# Altium PCB RV901-cnc-flipped.PcbDoc (part 4 of 4) (continued)
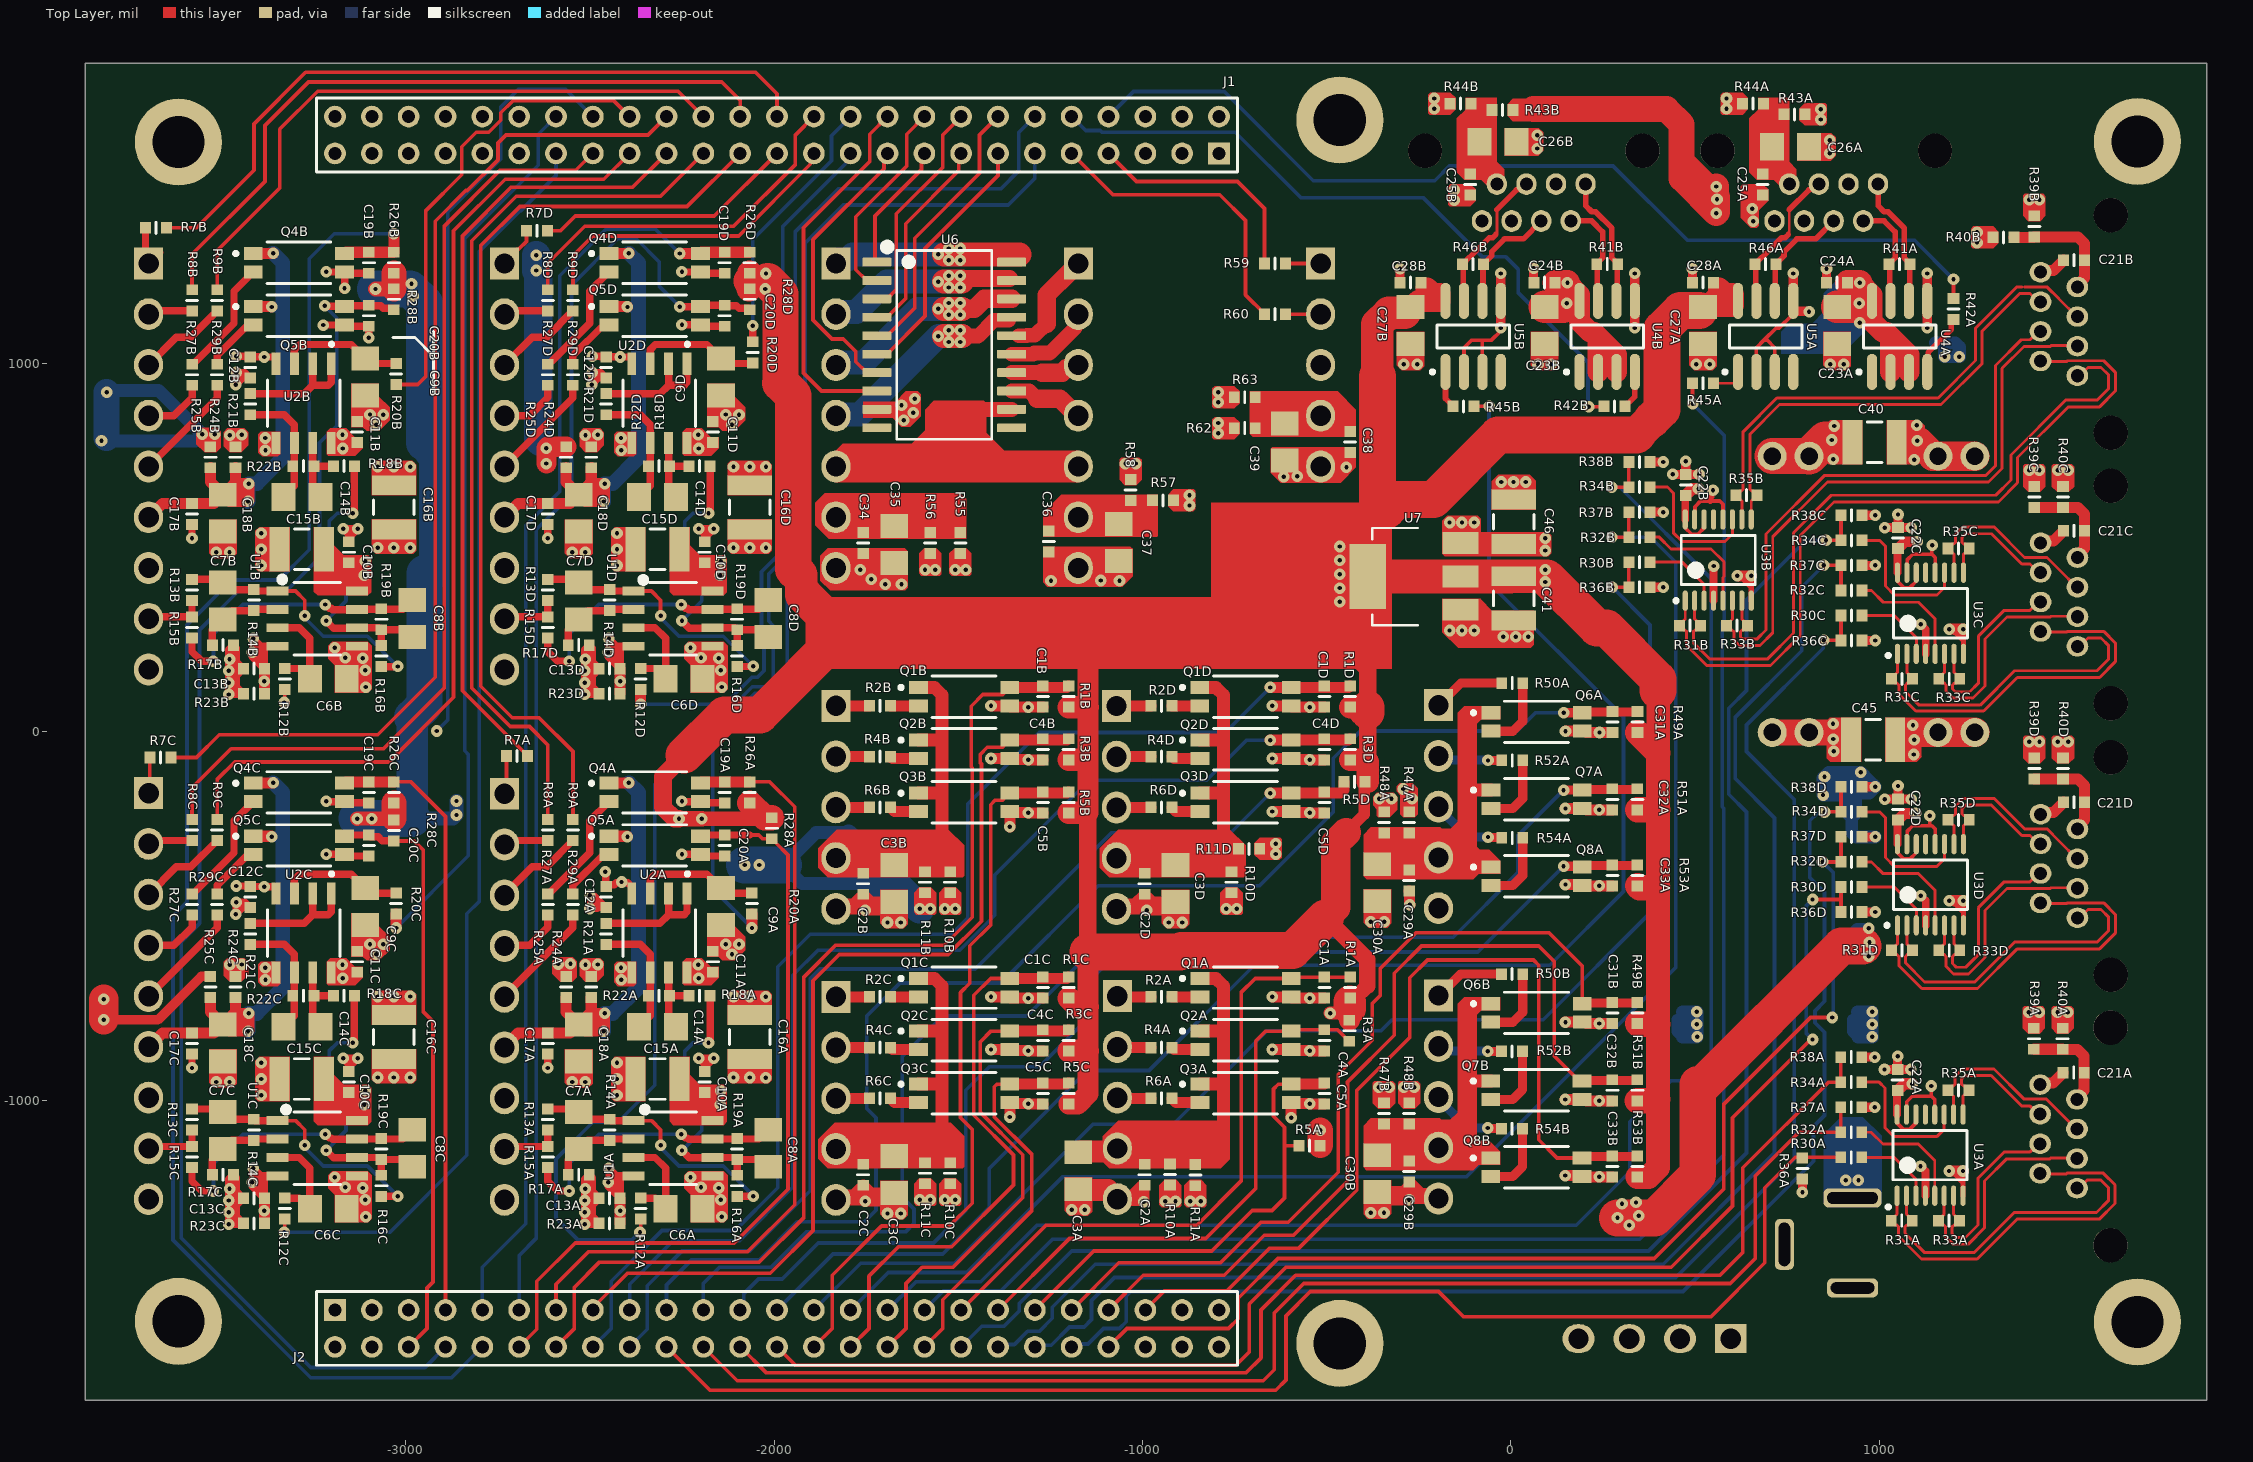
[diagram p0: Top Layer view]
## Nets (pads, with @x,y where several pads share a name; then routed paths per layer and width w, separated by ;. In a path a pad name is that pad's centre, name@x,y a point inside that pad or via, vN(x,y) a via of type N, cw(c..) or ccw(c..) an arc to the next point about the centre after c; other vN are vias at no path point) (continued)
OUT_Y_PWM_P: J1.37 R12C.1 | length 3440.4
  Top Layer w10: v1(-3330.06,-1358.82) -3328.28,-1357.04 R12C.1@-3328.28,-1323.36
  Bottom Layer w10: v1(-3330.06,-1358.82) -3042.88,-1358.82 -2834.06,-1150 -2834.06,-494 -2800.06,-460 -2800.06,1304.37 -2689.45,1414.98 -2687.08,1414.98 -2592.06,1510 J1.37@-2592.06,1570.08
OUT_Y_STEP: J1.32 R7C.1 | length 2818.4
  Top Layer w10: R7C.1@-3637.52,-70 -3568.06,-70 -3506.06,-8 -3076.06,-8 -2920.06,148 -2920.06,1386 -2836.83,1469.23 -2832.77,1469.23 -2749.54,1552.46 -2749.54,1598.53 -2728.06,1620 -2342.14,1620 J1.32@-2292.06,1670.08
OUT_Z_DIR: J1.24 R8D.1 | length 1006.1
  Top Layer w10: R8D.1@-2614.09,1199.72 -2614.09,1271.97 -2514.06,1372 -2110.06,1372 -1942.06,1540 -1942.06,1620.08 J1.24@-1892.06,1670.08
OUT_Z_EN: J1.23 R9D.1 | length 873.2
  Top Layer w10: R9D.1@-2546.09,1199.72 -2546.09,1291.97 -2492.06,1346 -2096.06,1346 -1901.45,1540.61 -1901.45,1560.69 J1.23@-1892.06,1570.08
OUT_Z_PWM_N: J1.22 R20D.1 | length 721.7
  Top Layer w20: R20D.1@-2058.06,1058.54 v1(-2058.06,1102)
  Bottom Layer w10: v1(-2058.06,1102) -2058.06,1336 -1844.06,1550 -1844.06,1618.08 J1.22@-1792.06,1670.08
OUT_Z_PWM_P: J1.21 R12D.1 | length 1920.7
  Top Layer w30: v1(-2362.31,74.25) R12D.1@-2362.31,114.64
  Bottom Layer w10: v1(-2362.31,74.25) -2133.81,74.25 -2060.06,148 -2045.01,148 -2027.35,165.67 -2027.35,234.48 -2034.06,241.19 -2034.06,434 -1976.06,492 -1976.06,1372 -1806.51,1541.55 -1806.51,1542.36 -1792.06,1556.8 J1.21@-1792.06,1570.08
OUT_Z_STEP: J1.25 R7D.1 | length 710.2
  Top Layer w10: R7D.1@-2615.25,1360 -2580.06,1360 -2540.06,1400 -2162.14,1400 J1.25@-1992.06,1570.08
RXDA_N: J4A.5 R46A.1 U5A.7 | length 402.9
  Top Layer w8: 753.58,1349.85 756.17,1352.45 756.17,1417.45
  Top Layer w15: U5A.7@666.91,1169.64 665.13,1171.41 665.13,1267.41 R46A.1@663.36,1269.18 663.36,1270.17 670.63,1277.43 671.61,1277.43 695.5,1301.32 735.78,1341.6 745.33,1341.6 753.58,1349.85 ; 756.17,1417.45 809.57,1470.85 811.88,1470.85 827.66,1486.63 J4A.5@836.55,1486.63
RXDA_P: J4A.4 R46A.2 U5A.6 | length 313.1
  Top Layer w15: U5A.6@716.91,1169.64 718.68,1171.41 718.68,1267.41 R46A.2@720.45,1269.18 720.45,1270.17 741.91,1291.62 741.91,1302.83 777.08,1338 828.08,1338 J4A.4@876.71,1386.63
RXDB_N: J4B.5 R46B.1 U5B.7 | length 402.9
  Top Layer w8: -40.42,1349.85 -37.83,1352.45 -37.83,1417.45
  Top Layer w15: U5B.7@-127.09,1169.64 -128.87,1171.41 -128.87,1267.41 R46B.1@-130.64,1269.18 -130.64,1270.17 -123.37,1277.43 -122.39,1277.43 -98.5,1301.32 -58.22,1341.6 -48.67,1341.6 -40.42,1349.85 ; -37.83,1417.45 15.57,1470.85 17.88,1470.85 33.66,1486.63 J4B.5@42.55,1486.63
RXDB_P: J4B.4 R46B.2 U5B.6 | length 313.1
  Top Layer w15: U5B.6@-77.09,1169.64 -75.32,1171.41 -75.32,1267.41 R46B.2@-73.55,1269.18 -73.55,1270.17 -52.09,1291.62 -52.09,1302.83 -16.92,1338 34.08,1338 J4B.4@82.71,1386.63
SERIAL_1_RXD: J2.33 R45A.1 | length 4479.8
  Top Layer w10: R45A.1@493.39,946 493.67,945.73 493.67,890.27 v1(493.94,890)
  Bottom Layer w10: J2.33@-1592.06,-1570.08 -1539.99,-1518 -1384.06,-1518 -1244.06,-1378 349.94,-1378 577.94,-1150 577.94,-208 573.94,-204 573.94,297.28 579.65,303 579.65,804.28 v1(493.94,890)
SERIAL_1_TXD: J1.8 R42A.1 | length 2618
  Top Layer w10: R42A.1@1201.94,1176.54 v1(1201.94,1228)
  Bottom Layer w10: J1.8@-1092.06,1670.08 -1024.14,1738 -778.06,1738 -536.06,1496 -206.06,1496 -166.06,1536 277.94,1536 479.94,1334 1095.94,1334 v1(1201.94,1228)
SERIAL_2_RXD: J2.25 R45B.1 | length 4339.6
  Top Layer w10: R45B.1@-99.55,883.18 v1(-58.88,883.18)
  Bottom Layer w10: J2.25@-1992.06,-1570.08 -1839.99,-1418 -1542.06,-1418 -1416.06,-1292 -1416.06,-1186 -1150.06,-920 -982.06,-920 -696.06,-634 105.94,-634 305.94,-434 305.94,39.86 -58.88,404.67 v1(-58.88,883.18)
SERIAL_2_TXD: J1.10 R42B.1 | length 1879
  Top Layer w10: v1(211.94,882) 252.18,882 R42B.1@253.36,883.18
  Bottom Layer w10: J1.10@-1192.06,1670.08 -1153.99,1632 -1114.13,1632 -1109.68,1627.55 -747.61,1627.55 -570.06,1450 -237.92,1450 -76.99,1289.07 -13.13,1289.07 20.01,1255.93 20.01,1192.07 209.94,1002.14 209.94,884 v1(211.94,882)
TXDA_N: J4A.2 R41A.1 U4A.7 | length 294.2
  Top Layer w15: J4A.2@957.02,1386.63 1013.91,1386.63 1043.41,1357.13 1043.41,1286.21 1027.36,1270.17 R41A.1@1027.36,1269.18 1029.13,1267.41 1029.13,1171.41 U4A.7@1030.91,1169.64
TXDA_P: J4A.1 R41A.2 U4A.6 | length 359.7
  Top Layer w15: J4A.1@997.18,1486.63 997.18,1428.35 1013.91,1411.63 1024.26,1411.63 1068.41,1367.49 1068.41,1286.21 R41A.2@1084.45,1270.17 ; U4A.6@1080.91,1169.64 1082.68,1171.41 1082.68,1267.41 R41A.2@1084.45,1269.18
TXDB_N: J4B.2 R41B.1 U4B.7 | length 294.2
  Top Layer w15: J4B.2@163.02,1386.63 219.91,1386.63 249.41,1357.13 249.41,1286.21 233.36,1270.17 R41B.1@233.36,1269.18 235.13,1267.41 235.13,1171.41 U4B.7@236.91,1169.64
TXDB_P: J4B.1 R41B.2 U4B.6 | length 359.7
  Top Layer w15: J4B.1@203.18,1486.63 203.18,1428.35 219.91,1411.63 230.26,1411.63 274.41,1367.49 274.41,1286.21 R41B.2@290.45,1270.17 ; U4B.6@286.91,1169.64 288.68,1171.41 288.68,1267.41 R41B.2@290.45,1269.18
ULN_COM: P6.5 P7.5 U6.12 | length 456.5
  Top Layer w40: -1428.77,875 U6.12@-1354.99,875
  Top Layer w50: -1458.06,845.71 -1458.06,766 -1412.16,720.09 P7.5@-1174.06,720.09
pads on no net: J1.4 J1.6 J1.39 J1.40 J1.41 J1.42 J1.43 J1.44 J1.45 J1.47 J2.4 J2.47 J3A.DNC J3B.DNC J3C.DNC J3D.DNC J4A.3 J4A.6 J4A.DNC J4B.3 J4B.6 J4B.DNC P1.3 U3A.13 U3B.13 U3C.13 U3D.13 U4A.1 U4B.1 U5A.4 U5B.4 U6.10 U6.11

## Polygon pours and split planes (outlines as drawn)
+5V on Layer 2 "+5V_L03_P002" (solid, remove dead copper, pour order 2): -3070,1356 -2594,1832 1888,1832 1920,1800 1920,-2190 -3722,-2190 -4190,-1722 -4190,2068 -3210,2068 -3184,2042
+12V on Layer 2 "+12V_L03_P001" (solid, remove dead copper, pour order 1): -2520,-1624 -2564,-1580 -2720,-1580 -2998,-1302 -2988,-1292 -2988,248 -2584,652 -6,652 250,396 250,-36 164,-36 -168,-368 -1184,-368 -1400,-152 -1666,-152 -1696,-182 -1678,-200 -1678,-1438 -1716,-1438 -1960,-1682
GND on Layer 1 "GND_L02_P000" (solid, pour order 0): -3870.24,1814.96 1889.76,1814.96 1889.76,-1814.96 -3870.24,-1814.96

## Other copper
Top Layer:
  region net +3.3V: -778.06,366 -1914.06,366 -1914.06,170 -778.06,170
  region net GND: -2144.31,167.18 -2210.31,167.18 -2210.31,123.18 -2144.31,123.18
  region net GND: -3110.28,167.18 -3176.28,167.18 -3176.28,123.18 -3110.28,123.18
  region net GND: -3110.28,-1270.82 -3176.28,-1270.82 -3176.28,-1314.82 -3110.28,-1314.82
  region net +3.3V: -322.06,622 -814.06,622 -814.06,170 -322.06,170
  region net +3.3V: -338.82,510.03 -480.06,510.03 -480.06,332.87 -338.82,332.87
  region net GND: -2144.31,-1270.82 -2210.31,-1270.82 -2210.31,-1314.82 -2144.31,-1314.82
  region net +12V: 1483.64,-85.72 1469.39,-71.47 1469.39,-15.5 1473.39,-11.5 1523.39,-11.5 1529.39,-17.5 1529.39,-71.47 1515.13,-85.72
  region net +5V: 1405.64,-85.72 1391.39,-71.47 1391.39,-15.5 1395.39,-11.5 1445.39,-11.5 1451.39,-17.5 1451.39,-71.47 1437.13,-85.72
  region net +12V: -2150.35,799.62 -2172.54,799.62 -2196.09,823.18 -2239.04,823.18 -2248.29,813.93 -2248.29,753.93 -2243.83,749.47 -2170.97,749.47 -2150.35,770.09
  region net GND: -2106.69,945.27 -2106.69,909.78 -2078.09,881.18 -2078.09,845.18 -2106.09,817.18 -2140.35,817.18 -2150.35,827.18 -2181.84,827.18 -2181.84,944.92 -2181.5,945.27
  region net ULN_COM: -1174.06,676.79 -1832.06,676.79 -1832.06,763.4 -1813.46,782 -1626.06,782 -1590.06,818 -1590.06,874 -1566.06,898 -1430.06,898 -1424.06,892 -1424.06,812 -1375.46,763.4 -1174.06,763.4
  region net GND: -1758.5,896 -1670.06,896 -1642.06,924 -1610.06,924 -1602.06,916 -1602.06,856 -1630.06,828 -1654.06,828 -1678.06,852 -1758.5,852
  region net +5V: -149.87,1689.43 -164.13,1675.18 -220.09,1675.18 -224.09,1679.18 -224.09,1729.18 -218.09,1735.18 -164.13,1735.18 -149.87,1720.93
  region net GND: -95.33,1440.89 -109.58,1426.64 -165.55,1426.64 -169.55,1430.64 -169.55,1480.64 -163.55,1486.64 -109.58,1486.64 -95.33,1472.39
  region net NetC25B_1: -37.87,1720.93 -37.87,1546.96 -18.28,1527.36 -18.28,1479 -30.09,1467.18 -30.09,1465.18 -46.09,1465.18 -79.87,1498.96 -125.84,1498.96 -146.09,1519.21 -146.09,1665.18 -122.31,1688.96 -122.31,1720.93
  region net GND: -16.38,1638.58 76.5,1638.58 87.91,1627.18 87.91,1577.18 74.5,1563.78 -16.38,1563.78
  region net +12V: -8.28,1703.75 5.97,1718 61.94,1718 65.94,1714 65.94,1664 59.94,1658 5.97,1658 -8.28,1672.25
  region net +12V: -735.84,808.25 -750.09,794 -806.06,794 -810.06,798 -810.06,848 -804.06,854 -750.09,854 -735.84,839.75
  region net +5V: -735.84,892.25 -750.09,878 -806.06,878 -810.06,882 -810.06,932 -804.06,938 -750.09,938 -735.84,923.75
  region net NetC38_1: -420.31,800.32 -700.35,800.32 -708.28,808.25 -708.28,923.75 -469.81,923.75 -420.31,874.25 -420.31,829.85
  region net GND: -234.69,1085.46 -234.69,992.58 -246.09,981.18 -296.09,981.18 -309.5,994.58 -309.5,1085.46
  region net GND: 129.31,1085.46 129.31,992.58 117.91,981.18 67.91,981.18 54.5,994.58 54.5,1085.46
  region net +12V: -2229.31,555.18 -2229.31,506.18 -2202.31,479.18 -2136.31,479.18 -2128.31,471.18 -2128.31,378.68 -2136.81,370.18 -2273.31,370.18 -2283.31,380.18 -2283.31,555.18
  region net GND: -2006.09,576.18 -2006.09,491.18 -2014.09,483.18 -2116.09,483.18 -2126.09,493.18 -2126.09,576.18
  region net -12V: -2126.09,642.18 -2126.09,727.18 -2118.09,735.18 -2016.09,735.18 -2006.09,725.18 -2006.09,642.18
  region net NetC34_1: -1478.31,524 -1852.06,524 -1888.06,560 -1888.06,622 -1862.06,648 -1494.06,648 -1478.31,632.25 -1478.31,555.31
  region net +5V: -1560.31,498.22 -1546.06,483.97 -1546.06,428 -1550.06,424 -1600.06,424 -1606.06,430 -1606.06,483.97 -1591.81,498.22
  region net +12V: -1478.31,498.22 -1464.06,483.97 -1464.06,428 -1468.06,424 -1518.06,424 -1524.06,430 -1524.06,483.97 -1509.81,498.22
  region net GND: -1644.6,498.22 -1636.66,490.28 -1636.66,391.4 -1644.06,384 -1848.06,384 -1874.06,410 -1874.06,478 -1853.84,498.22
  region net GND: -2233.09,244.18 -2244.09,233.18 -2244.09,198.08 -2226.6,180.58 -2226.6,105.78 -2135.5,105.78 -2126.09,115.18 -2126.09,233.46 -2136.81,244.18
  region net +5V: -3514.54,758.96 -3502.06,771.43 -3502.06,815.18 -3512.06,825.18 -3558.06,825.18 -3568.06,815.18 -3568.06,780.99 -3546.03,758.96
  region net GND: -3458.88,575.46 -3458.88,482.58 -3470.28,471.18 -3520.28,471.18 -3533.68,484.58 -3533.68,575.46
  region net +12V: -3446.54,758.96 -3428.06,777.43 -3428.06,813.18 -3438.06,823.18 -3484.06,823.18 -3494.06,813.18 -3494.06,774.99 -3478.03,758.96
  region net GND: -3340.26,813.93 -3393.31,813.93 -3400.06,807.18 -3400.06,757.18 -3390.06,747.18 -3347.01,747.18 -3340.26,753.93
  region net GND: -3315.28,435.18 -3400.28,435.18 -3408.28,443.18 -3408.28,545.18 -3398.28,555.18 -3315.28,555.18
  region net +12V: -3116.31,799.62 -3138.5,799.62 -3162.06,823.18 -3205.01,823.18 -3214.26,813.93 -3214.26,753.93 -3209.8,749.47 -3136.94,749.47 -3116.31,770.09
  region net +12V: -3195.28,555.18 -3195.28,506.18 -3168.28,479.18 -3102.28,479.18 -3094.28,471.18 -3094.28,378.68 -3102.78,370.18 -3239.28,370.18 -3249.28,380.18 -3249.28,555.18
  region net GND: -3072.66,945.27 -3072.66,909.78 -3044.06,881.18 -3044.06,845.18 -3072.06,817.18 -3106.31,817.18 -3116.31,827.18 -3147.81,827.18 -3147.81,944.92 -3147.46,945.27
  region net -12V: -3092.06,642.18 -3092.06,727.18 -3084.06,735.18 -2982.06,735.18 -2972.06,725.18 -2972.06,642.18
  region net GND: -2972.06,576.18 -2972.06,491.18 -2980.06,483.18 -3082.06,483.18 -3092.06,493.18 -3092.06,576.18
  region net GND: -3199.06,244.18 -3210.06,233.18 -3210.06,198.08 -3192.57,180.58 -3192.57,105.78 -3101.46,105.78 -3092.06,115.18 -3092.06,233.46 -3102.78,244.18
  region net +12V: -2480.57,758.96 -2462.09,777.43 -2462.09,813.18 -2472.09,823.18 -2518.09,823.18 -2528.09,813.18 -2528.09,774.99 -2512.06,758.96
  region net GND: -2374.29,813.93 -2427.34,813.93 -2434.09,807.18 -2434.09,757.18 -2424.09,747.18 -2381.04,747.18 -2374.29,753.93
  region net GND: -2492.91,575.46 -2492.91,482.58 -2504.31,471.18 -2554.31,471.18 -2567.72,484.58 -2567.72,575.46
  region net GND: -2349.31,435.18 -2434.31,435.18 -2442.31,443.18 -2442.31,545.18 -2432.31,555.18 -2349.31,555.18
  region net +12V: -3446.54,-679.04 -3428.06,-660.57 -3428.06,-624.82 -3438.06,-614.82 -3484.06,-614.82 -3494.06,-624.82 -3494.06,-663.01 -3478.03,-679.04
  region net GND: -3072.66,-492.73 -3072.66,-528.22 -3044.06,-556.82 -3044.06,-592.82 -3072.06,-620.82 -3106.31,-620.82 -3116.31,-610.82 -3147.81,-610.82 -3147.81,-493.08 -3147.46,-492.73
  region net GND: -3340.26,-624.07 -3393.31,-624.07 -3400.06,-630.82 -3400.06,-680.82 -3390.06,-690.82 -3347.01,-690.82 -3340.26,-684.07
  region net +12V: -3116.31,-638.38 -3138.5,-638.38 -3162.06,-614.82 -3205.01,-614.82 -3214.26,-624.07 -3214.26,-684.07 -3209.8,-688.53 -3136.94,-688.53 -3116.31,-667.91
  region net GND: -3458.88,-862.54 -3458.88,-955.42 -3470.28,-966.82 -3520.28,-966.82 -3533.68,-953.42 -3533.68,-862.54
  region net GND: -3315.28,-1002.82 -3400.28,-1002.82 -3408.28,-994.82 -3408.28,-892.82 -3398.28,-882.82 -3315.28,-882.82
  region net +12V: -3195.28,-882.82 -3195.28,-931.82 -3168.28,-958.82 -3102.28,-958.82 -3094.28,-966.82 -3094.28,-1059.32 -3102.78,-1067.82 -3239.28,-1067.82 -3249.28,-1057.82 -3249.28,-882.82
  region net GND: -3199.06,-1193.82 -3210.06,-1204.82 -3210.06,-1239.92 -3192.57,-1257.42 -3192.57,-1332.22 -3101.46,-1332.22 -3092.06,-1322.82 -3092.06,-1204.54 -3102.78,-1193.82
  region net -12V: -3092.06,-795.82 -3092.06,-710.82 -3084.06,-702.82 -2982.06,-702.82 -2972.06,-712.82 -2972.06,-795.82
  region net GND: -2972.06,-861.82 -2972.06,-946.82 -2980.06,-954.82 -3082.06,-954.82 -3092.06,-944.82 -3092.06,-861.82
  region net +5V: -2548.57,-679.04 -2536.09,-666.57 -2536.09,-622.82 -2546.09,-612.82 -2592.09,-612.82 -2602.09,-622.82 -2602.09,-657.01 -2580.06,-679.04
  region net GND: -2492.91,-862.54 -2492.91,-955.42 -2504.31,-966.82 -2554.31,-966.82 -2567.72,-953.42 -2567.72,-862.54
  region net +12V: -2480.57,-679.04 -2462.09,-660.57 -2462.09,-624.82 -2472.09,-614.82 -2518.09,-614.82 -2528.09,-624.82 -2528.09,-663.01 -2512.06,-679.04
  region net GND: -2374.29,-624.07 -2427.34,-624.07 -2434.09,-630.82 -2434.09,-680.82 -2424.09,-690.82 -2381.04,-690.82 -2374.29,-684.07
  region net GND: -2349.31,-1002.82 -2434.31,-1002.82 -2442.31,-994.82 -2442.31,-892.82 -2432.31,-882.82 -2349.31,-882.82
  region net NetC36_1: -957.84,643.75 -1220.31,643.75 -1269.81,594.25 -1269.81,529.78 -960.31,529.78 -957.84,532.25
  region net +5V: -1047.81,669.78 -1062.06,684.03 -1062.06,740 -1058.06,744 -1008.06,744 -1002.06,738 -1002.06,684.03 -1016.31,669.78
  region net GND: -420.31,772.76 -646.98,772.76 -651.46,768.28 -651.46,703.32 -624.14,676 -462.06,676 -420.31,717.75 -420.31,743.24
  region net +12V: -930.28,643.75 -916.03,658 -860.06,658 -856.06,654 -856.06,604 -862.06,598 -916.03,598 -930.28,612.25
  region net GND: -1026.66,496.28 -1032.6,502.22 -1269.81,502.22 -1269.81,405.75 -1258.06,394 -1054.06,394 -1026.66,421.4 -1026.66,431.32
  region net GND: 67.94,603 67.94,682 51.94,698 -34.06,698 -52.06,680 -52.06,603
  region net +5V: -185.28,482.47 -178.8,476 101.94,476 109.94,484 109.94,534 102.41,541.53 -185.28,541.53
  region net +3.3V: -185.28,450.98 -180.25,456 101.94,456 111.94,446 111.94,396 105.94,390 -183.35,390 -185.28,391.92
  region net +5V: -185.28,482.47 -185.28,572.79 -172.06,586 -90.06,586 -82.06,578 -82.06,482.47
  region net GND: -185.28,360.42 -185.28,270.11 -172.06,256.9 -90.06,256.9 -82.06,264.9 -82.06,360.42
  region net GND: -143.17,228 -185.28,270.11 -185.28,360.42 -82.06,360.42 -82.06,359 -52.06,329 61.94,329 61.94,236 53.94,228
  region net +5V: 644.13,1689.43 629.87,1675.18 573.91,1675.18 569.91,1679.18 569.91,1729.18 575.91,1735.18 629.87,1735.18 644.13,1720.93
  region net GND: 673.94,1416.16 673.94,1374 667.94,1368 651.94,1368 624.45,1395.49 624.45,1480.64 630.45,1486.64 684.42,1486.64 698.67,1472.39 698.67,1440.89
  region net NetC25A_1: 756.13,1720.93 756.13,1546.96 775.72,1527.36 775.72,1479 763.91,1467.18 763.91,1465.18 747.91,1465.18 714.13,1498.96 668.16,1498.96 647.91,1519.21 647.91,1665.18 671.69,1688.96 671.69,1720.93
  region net GND: 559.31,1085.46 559.31,992.58 547.91,981.18 497.91,981.18 484.5,994.58 484.5,1085.46
  region net +12V: 783.72,1691.75 797.97,1706 853.94,1706 857.94,1702 857.94,1652 851.94,1646 797.97,1646 783.72,1660.25
  region net GND: 777.65,1625.4 870.54,1625.4 881.94,1614 881.94,1564 868.54,1550.6 777.65,1550.6
  region net +12V: 1324.16,1326.25 1309.91,1312 1253.94,1312 1249.94,1316 1249.94,1366 1255.94,1372 1309.91,1372 1324.16,1357.75
  region net +5V: 1405.61,1385.91 1391.35,1400.17 1391.35,1456.13 1395.35,1460.13 1445.35,1460.13 1451.35,1454.13 1451.35,1400.17 1437.1,1385.91
  region net GND: 923.31,1085.46 923.31,992.58 911.91,981.18 861.91,981.18 848.5,994.58 848.5,1085.46
  region net +5V: 954.94,846 867.94,846 853.94,832 853.94,736 863.94,726 954.94,726
  region net GND: 1020.94,726 1105.94,726 1123.94,744 1123.94,830 1107.94,846 1020.94,846
  region net +5V: 1405.64,651.28 1391.39,665.53 1391.39,721.5 1395.39,725.5 1445.39,725.5 1451.39,719.5 1451.39,665.53 1437.13,651.28
  region net +12V: 1483.64,651.28 1469.39,665.53 1469.39,721.5 1473.39,725.5 1523.39,725.5 1529.39,719.5 1529.39,665.53 1515.13,651.28
  region net +12V: 950.94,38 865.94,38 857.94,30 857.94,-72 867.94,-82 950.94,-82
  region net GND: 1016.94,38 1099.94,38 1113.94,24 1113.94,-66 1115.94,-68 1101.94,-82 1016.94,-82
  region net ESTOP_VCCD: -762.91,-266 -720.09,-308.82 -720.09,-390.82 -724.31,-395.04 -1089.87,-395.04 -1116.09,-368.82 -1116.09,-316.82 -1065.28,-266
  region net GND: -872.69,-429.72 -872.69,-522.6 -884.09,-534 -934.09,-534 -947.5,-520.6 -947.5,-429.72
  region net +12V: -742.35,-422.6 -728.09,-436.85 -728.09,-492.82 -732.09,-496.82 -782.09,-496.82 -788.09,-490.82 -788.09,-436.85 -773.84,-422.6
  region net +5V: -696.28,-302.25 -682.03,-288 -626.06,-288 -622.06,-292 -622.06,-342 -628.06,-348 -682.03,-348 -696.28,-333.75
  region net +12V: -2229.31,-882.82 -2229.31,-931.82 -2202.31,-958.82 -2136.31,-958.82 -2128.31,-966.82 -2128.31,-1059.32 -2136.81,-1067.82 -2273.31,-1067.82 -2283.31,-1057.82 -2283.31,-882.82
  region net GND: -2006.09,-861.82 -2006.09,-946.82 -2014.09,-954.82 -2116.09,-954.82 -2126.09,-944.82 -2126.09,-861.82
  region net ESTOP_VCCC: -1520.91,-1062 -1484.09,-1098.82 -1484.09,-1180.82 -1488.31,-1185.04 -1853.87,-1185.04 -1880.09,-1158.82 -1880.09,-1106.82 -1835.28,-1062
  region net GND: -2233.09,-1193.82 -2244.09,-1204.82 -2244.09,-1239.92 -2226.6,-1257.42 -2226.6,-1332.22 -2135.5,-1332.22 -2126.09,-1322.82 -2126.09,-1204.54 -2136.81,-1193.82
  region net GND: -1636.69,-1219.72 -1636.69,-1312.6 -1648.09,-1324 -1698.09,-1324 -1711.5,-1310.6 -1711.5,-1219.72
  region net +5V: -1574.35,-1212.6 -1560.09,-1226.85 -1560.09,-1282.82 -1564.09,-1286.82 -1614.09,-1286.82 -1620.09,-1280.82 -1620.09,-1226.85 -1605.84,-1212.6
  region net +12V: -1506.35,-1212.6 -1492.09,-1226.85 -1492.09,-1282.82 -1496.09,-1286.82 -1546.09,-1286.82 -1552.09,-1280.82 -1552.09,-1226.85 -1537.84,-1212.6
  region net ESTOP_VCCA: -762.88,-1056 -762.88,-1160.82 -787.1,-1185.04 -1089.84,-1185.04 -1107.43,-1167.45 -1107.43,-1098.19 -1065.24,-1056
  region net GND: -1136.66,-1209.72 -1136.66,-1302.6 -1148.06,-1314 -1198.06,-1314 -1211.46,-1300.6 -1211.46,-1209.72
  region net +12V: -908.31,-1216.6 -894.06,-1230.85 -894.06,-1286.82 -898.06,-1290.82 -948.06,-1290.82 -954.06,-1284.82 -954.06,-1230.85 -939.81,-1216.6
  region net +5V: -840.31,-1216.6 -826.06,-1230.85 -826.06,-1286.82 -830.06,-1290.82 -880.06,-1290.82 -886.06,-1284.82 -886.06,-1230.85 -871.81,-1216.6
  region net +5V: -328.06,-232.22 -307.81,-211.97 -307.81,-176 -317.81,-166 -363.81,-166 -373.81,-176 -373.81,-200 -363.81,-210 -363.81,-227.97 -359.56,-232.22
  region net +12V: -291.56,-232.22 -299.81,-223.97 -299.81,-172 -309.81,-162 -309.81,-148 -301.81,-140 -265.81,-140 -251.81,-154 -251.81,-223.97 -260.06,-232.22
  region net GPI_VCCA: -143.81,-244 -163.37,-263.56 -195.81,-263.56 -247.81,-315.56 -247.81,-372 -219.81,-400 -101.81,-400 -87.07,-385.26 -28.46,-385.26 -28.46,-349.83 -58.28,-320 -83.81,-320 -91.81,-312 -91.81,22 -80.07,33.74 -28.24,33.74 -28.24,69.17 -126.64,69.17 -143.81,52
  region net GPI_VCCA: -192.03,-259.78 -155.81,-296 -155.81,-376 -179.81,-400 -391.5,-400 -399.21,-392.28 -399.21,-279.4 -379.59,-259.78
  region net GND: -324.41,-427.72 -324.41,-520.6 -335.81,-532 -385.81,-532 -399.21,-518.6 -399.21,-427.72
  region net +12V: 1482.64,-819.72 1468.39,-805.47 1468.39,-749.5 1472.39,-745.5 1522.39,-745.5 1528.39,-751.5 1528.39,-805.47 1514.13,-819.72
  region net +5V: 1404.64,-819.72 1390.39,-805.47 1390.39,-749.5 1394.39,-745.5 1444.39,-745.5 1450.39,-751.5 1450.39,-805.47 1436.13,-819.72
  region net +12V: -359.81,-1023.4 -374.06,-1009.15 -374.06,-953.18 -370.06,-949.18 -320.06,-949.18 -314.06,-955.18 -314.06,-1009.15 -328.31,-1023.4
  region net +5V: -291.81,-1023.4 -306.06,-1009.15 -306.06,-953.18 -302.06,-949.18 -252.06,-949.18 -246.06,-955.18 -246.06,-1009.15 -260.31,-1023.4
  region net GPI_VCCB: -144.06,-1034 -163.62,-1053.56 -196.06,-1053.56 -248.06,-1105.56 -248.06,-1162 -220.06,-1190 -102.06,-1190 -87.32,-1175.26 -28.71,-1175.26 -28.71,-1139.83 -58.54,-1110 -84.06,-1110 -92.06,-1102 -92.06,-768 -80.32,-756.26 -28.49,-756.26 -28.49,-720.83 -126.89,-720.83 -144.06,-738
  region net GPI_VCCB: -192.28,-1049.78 -156.06,-1086 -156.06,-1166 -180.06,-1190 -391.75,-1190 -399.46,-1182.28 -399.46,-1069.4 -379.84,-1049.78
  region net GND: -399.46,-1217.72 -399.46,-1310.6 -388.06,-1322 -338.06,-1322 -324.66,-1308.6 -324.66,-1217.72
  region net ESTOP_VCCB: -1526.91,-266 -1484.09,-308.82 -1484.09,-390.82 -1488.31,-395.04 -1853.87,-395.04 -1880.09,-368.82 -1880.09,-316.82 -1829.28,-266
  region net +5V: -1574.35,-422.6 -1560.09,-436.85 -1560.09,-492.82 -1564.09,-496.82 -1614.09,-496.82 -1620.09,-490.82 -1620.09,-436.85 -1605.84,-422.6
  region net +12V: -1506.35,-422.6 -1492.09,-436.85 -1492.09,-492.82 -1496.09,-496.82 -1546.09,-496.82 -1552.09,-490.82 -1552.09,-436.85 -1537.84,-422.6
  region net +12V: -2150.35,-638.38 -2172.54,-638.38 -2196.09,-614.82 -2239.04,-614.82 -2248.29,-624.07 -2248.29,-684.07 -2243.83,-688.53 -2170.97,-688.53 -2150.35,-667.91
  region net GND: -2106.69,-492.73 -2106.69,-528.22 -2078.09,-556.82 -2078.09,-592.82 -2106.09,-620.82 -2140.35,-620.82 -2150.35,-610.82 -2181.84,-610.82 -2181.84,-493.08 -2181.5,-492.73
  region net -12V: -2126.09,-795.82 -2126.09,-710.82 -2118.09,-702.82 -2016.09,-702.82 -2006.09,-712.82 -2006.09,-795.82
  region net GND: -1636.69,-429.72 -1636.69,-522.6 -1648.09,-534 -1698.09,-534 -1711.5,-520.6 -1711.5,-429.72
Bottom Layer:
  region net +5V: 734.46,1086.5 755.96,1108 817.94,1108 849.94,1140 849.94,1190 895.94,1236 959.94,1236 965.94,1230 965.94,1092.59 899.82,1026.47 734.46,1026.47
  region net +12V: 955.46,-1046.12 1006.68,-1097.33 1006.68,-1278.7 993.88,-1291.5 861.99,-1291.5 849.2,-1278.7 849.2,-1093.33 896.41,-1046.12

## Silkscreen, mask and mechanical layers (free items; w line width, h text height)
Top Overlay:
  circle w16: c-2355.04,412 r8
  circle w16: c-3325.04,-1026 r8
  circle w16: c-2351.04,-1026 r8
  circle w16: c-3335.38,413.27 r8
  circle w20: c-1693.04,1316 r10
  lines w8: -3035.04,1070 -2975.04,1070 -2925.04,1020 -2925.04,1002 ; -2925.04,918 -2925.04,1086
Bottom Overlay:
  lines w15: 182.96,1252 214.96,1284 ; 214.96,1126 214.96,1284 ; 246.96,1252 214.96,1284 ; 696.96,1252 728.96,1284 ; 728.96,1126 728.96,1284 ; 760.96,1252 728.96,1284
  text "X" at 1403.25,1432.19 h120 r270
  text "STEP" at -3198.04,1231.29 h80
  text "STEP" at -2232.07,1231.29 h80
  text "1" at -1588.7,1231.29 h80
  text "5" at -904.04,1231.29 h80
  text "9" at -246.04,1231.29 h80
  text "2" at 367.55,1146.02 h120
  text "1" at 646.96,1146.02 h120
  text "DIR" at -3291.34,1093.49 h80
  text "DIR" at -2325.37,1093.49 h80
  text "2" at -1562.04,1093.49 h80
  text "6" at -904.04,1093.49 h80
  text "10" at -181.04,1093.49 h80
  text "SERIAL" at 732.96,964.02 h120
  text "EN" at -3357.99,955.7 h80
  text "EN" at -2392.02,955.7 h80
  text "3" at -1562.04,955.7 h80
  text "7" at -904.04,955.7 h80
  text "GND" at -66.04,955.7 h80
  text "GPO" at -1487.02,908 h120 r270
  text "GPO" at -829.02,908 h120 r270
  text "X" at -3071.01,855.82 h200
  text "Z" at -2105.04,855.82 h200
  text "OC" at -3357.99,817.9 h80
  text "OC" at -2392.02,817.9 h80
  text "4" at -1562.04,817.9 h80
  text "8" at -904.04,817.9 h80
  text "VCC" at -66.04,817.9 h80
  text "Y" at 1403.28,697.55 h120 r270
  text "ERR" at -3278.01,680.11 h80
  text "ERR" at -2312.04,680.11 h80
  text "COM" at -1382.04,680.11 h80
  text "COM" at -724.04,680.11 h80
  text "GND" at -66.04,680.11 h80
  text "VCC" at -3278.01,542.31 h80
  text "VCC" at -2312.04,542.31 h80
  text "VCC" at -1382.04,542.31 h80
  text "VCC" at -724.04,542.31 h80
  text "GPO" at -249.04,480.02 h120
  text "GND" at -3278.01,404.52 h80
  text "GND" at -2312.04,404.52 h80
  text "GND" at -1382.04,404.52 h80
  text "GND" at -724.04,404.52 h80
  text "ANALOG" at -3038.09,266.72 h80
  text "ANALOG" at -2072.12,266.72 h80
  text "GND" at -3278.01,128.93 h80
  text "GND" at -2312.04,128.93 h80
  text "1" at 17.36,32.01 h80
  text "1" at -1618.68,30.29 h80
  text "1" at -856.64,30.01 h80
  text "Z" at 1403.28,-39.45 h120 r270
  text "2" at 44.01,-105.78 h80
  text "2" at -1592.02,-107.51 h80
  text "2" at -829.99,-107.78 h80
  text "X" at -1337.04,-167.49 h200
  text "Z" at -575.01,-167.76 h200
  text "STEP" at -3198.04,-206.71 h80
  text "STEP" at -2232.07,-208.53 h80
  text "GPI" at 122.98,-208 h120 r270
  text "3" at 44.01,-243.58 h80
  text "3" at -1592.02,-245.3 h80
  text "3" at -829.99,-245.58 h80
  text "DIR" at -3291.34,-344.51 h80
  text "DIR" at -2325.37,-346.33 h80
  text "VCC" at 203.96,-381.37 h80
  text "VCC" at -1432.07,-383.1 h80
  text "VCC" at -670.04,-383.37 h80
  text "EN" at -3357.99,-482.3 h80
  text "EN" at -2392.02,-484.12 h80
  text "GND" at 203.96,-519.17 h80
  text "GND" at -1432.07,-520.89 h80
  text "GND" at -670.04,-521.17 h80
  text "Y" at -3071.01,-582.18 h200
  text "A" at -2105.04,-584 h200
  text "OC" at -3357.99,-620.1 h80
  text "OC" at -2392.02,-621.92 h80
  text "4" at 44.01,-755.99 h80
  text "ERR" at -3278.01,-757.89 h80
  text "1" at -854.64,-757.99 h80
  text "ERR" at -2312.04,-759.71 h80
  text "1" at -1618.68,-759.71 h80
  text "A" at 1402.28,-773.45 h120 r270
  text "5" at 44.01,-893.78 h80
  text "VCC" at -3278.01,-895.69 h80
  text "2" at -827.99,-895.78 h80
  text "VCC" at -2312.04,-897.51 h80
  text "2" at -1592.02,-897.51 h80
  text "A" at -573.01,-955.76 h200
  text "Y" at -1337.04,-957.49 h200
  text "GPI" at 122.98,-996 h120 r270
  text "6" at 44.01,-1031.58 h80
  text "GND" at -3278.01,-1033.48 h80
  text "3" at -827.99,-1033.58 h80
  text "GND" at -2312.04,-1035.3 h80
  text "3" at -1592.02,-1035.3 h80
  text "VCC" at 203.96,-1169.37 h80
  text "ANALOG" at -3038.09,-1171.28 h80
  text "VCC" at -668.04,-1171.37 h80
  text "ANALOG" at -2072.12,-1173.1 h80
  text "VCC" at -1432.07,-1173.1 h80
  text "GND" at -3278.01,-1309.07 h80
  text "GND" at -668.04,-1309.17 h80
  text "GND" at -2312.04,-1310.89 h80
  text "GND" at -1432.07,-1310.89 h80
  text "ENCODER" at 1226.98,-1376 h120 r270
  text "GND" at -3.02,-1432.26 h80 r270
  text "GND" at 172.97,-1468.26 h80 r270
  text "-12V" at 310.77,-1468.26 h80 r270
  text "+12V" at 448.57,-1468.26 h80 r270
  text "+5V" at 586.36,-1468.26 h80 r270
Mechanical 1:
  lines w10: -3870.24,1814.96 -3870.24,-1814.96 1889.76,-1814.96